# KiCad board sun3_60_layout2_routing2.kicad_pcb (continued)
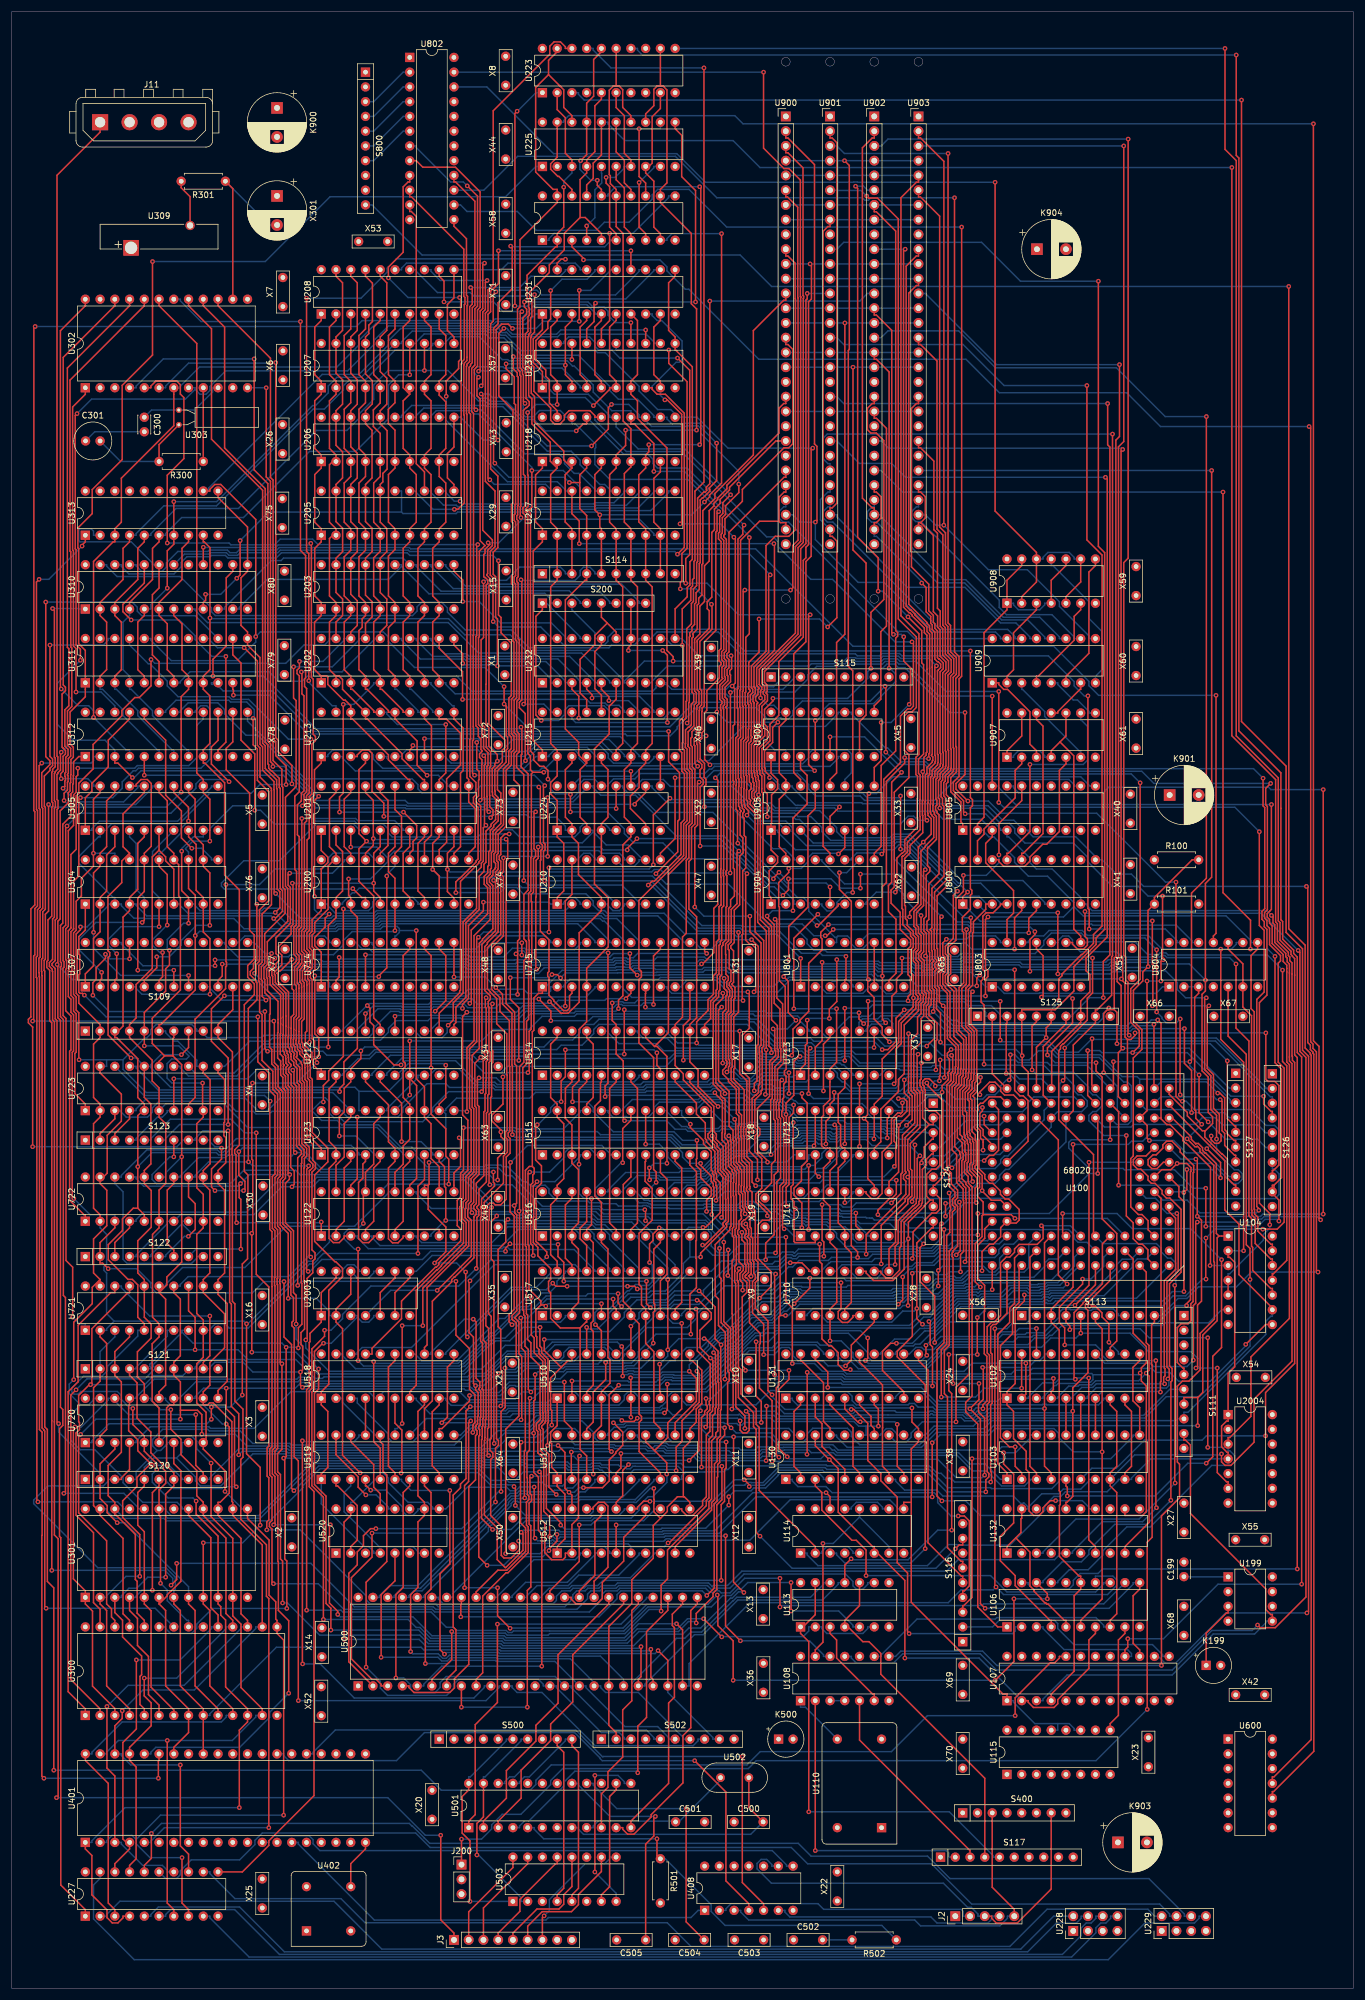
[diagram p0: board, top side]
## Routing (per net, layer and track width the routed paths; a pad name or vN(x,y) marks a point on that pad's centre or on a via; arc(x,y) is an arc through that point) (continued)
  Bottom w0.25: v1(177.4,131.31) 182.39,131.31 U100.33 ; v1(126.2,87.58) 124.5,87.58 120.79,83.87 v1(109.95,83.87) ; v1(62.37,190.29) 48.36,190.29 v1(48.36,190.3) ; v1(82.86,79.01) 86.04,79.01 88.01,80.98 99.71,80.98 100.17,81.43 104.62,81.43 105.55,82.37 105.55,82.56 U512.15 ; U722.14 29.07,139.7 29.07,139.91 32.21,143.05 36.84,143.05 37.25,143.46 38.73,143.46 38.84,143.35 48.3,143.35 v1(48.86,143.91) 49.9,143.91 53.24,140.57 v1(83,140.57) ; v1(167.82,85.49) 161.06,85.49 157.65,88.9 140.03,88.9 139.71,89.22 132.23,89.22 129.63,86.62 127.29,86.62 v1(127.07,86.39)
/Ethernet/A22: length 427.4
  Top w0.25: v1(119.62,101.56) 119.62,100.49 119.84,100.27 119.84,99.8 119.39,99.35 119.39,98.83 118.84,98.28 v1(118.84,89.75) ; v1(66.04,182.13) U200.6 66.04,191.14 64.91,192.27 64.91,195.46 66.04,196.59 U201.6 ; v1(122.35,89.91) 122.35,84.12 121.48,83.25 121.48,68.69 120.83,68.04 120.83,67.45 117.93,64.55 v1(117.93,62.92) ; v1(39.43,138.57) 39.2,138.34 39.2,136.15 39.49,135.86 v1(39.49,127.3) ; v1(158.01,114.83) 158.23,114.61 158.23,110.85 158.64,110.45 v1(158.64,103.71) ; v1(55,61.69) 55,65.45 54.16,66.28 54.16,84.76 52.17,86.75 52.17,102.49 52.88,103.2 v1(52.88,106.65) ; v1(45.33,177.34) 45.07,177.07 45.07,176.04 44.38,175.35 44.38,174.22 44.52,174.08 44.52,172.82 46.34,171 46.34,167.04 46.34,167.04 46.34,166.06 46.34,166.06 46.34,164.41 46.28,164.35 46.28,160.87 46.76,160.38 46.76,159.9 46.79,159.86 46.79,159.14 46.93,159 46.93,158.9 46.81,158.77 46.81,157.42 47.18,157.05 47.18,155.24 47.28,155.14 47.28,155.14 47.63,154.79 47.63,140.35 47.85,140.12 ; v1(49.01,114.39) 49.01,119.35 48.55,119.8 48.55,130.43 47.17,131.81 47.17,138.63 47.85,139.31 47.85,140.12 ; U512.16 104.14,83.69 105.27,84.81 105.27,89.19 v1(106.27,90.19) ; 47.85,140.12 v1(47.91,140.12)
  Bottom w0.25: v1(52.88,106.65) 50.22,109.31 50.22,110.56 49.01,111.78 v1(49.01,114.39) ; v1(158.64,103.71) 158.36,103.99 143.1,103.99 142.88,104.21 123.21,104.21 120.56,101.56 v1(119.62,101.56) ; v1(106.27,90.19) 106.46,90.39 115.33,90.39 115.97,89.75 v1(118.84,89.75) 122.2,89.75 v1(122.35,89.91) ; v1(45.33,177.34) 45.62,177.63 47.7,177.63 48.05,177.98 55.45,177.98 57.15,179.69 57.15,180.44 58.67,181.96 65.87,181.96 v1(66.04,182.13) ; v1(39.49,127.3) 31.78,127.3 S122.8 ; v1(55,61.69) 70.14,61.69 72.02,59.82 84.47,59.82 84.82,59.46 106.08,59.46 108.06,61.44 114.87,61.44 116.6,63.17 117.68,63.17 v1(117.93,62.92) ; v1(158.01,114.83) 158.25,114.83 162.6,119.19 164.77,119.19 164.98,119.4 165.75,119.4 165.81,119.45 166.07,119.45 166.39,119.13 166.56,119.13 167.01,119.58 170.37,119.58 171.82,121.03 175.13,121.03 175.45,120.71 176.93,120.71 177.06,120.85 178.25,120.85 178.48,121.07 180.58,121.07 183.96,124.46 U100.7 ; U722.17 21.45,139.7 21.45,139.42 22.74,138.12 38.98,138.12 v1(39.43,138.57) 40.98,140.12 v1(47.91,140.12)
/Ethernet/A23: length 405.2
  Top w0.25: v1(183.18,117.63) 186.71,121.15 U100.6 ; v1(92.3,93.47) 92.32,93.5 92.32,97.3 92.44,97.42 92.44,99.46 92.39,99.51 92.39,108.36 91.3,109.45 91.3,110.29 91,110.59 91,113.78 v1(91.03,113.82) ; v1(49.99,201.43) 49.99,189.62 49.95,189.59 49.95,182.75 49.5,182.3 49.5,178.41 49.98,177.93 49.98,176.58 49.85,176.45 49.85,176.4 49.75,176.29 49.75,176.23 49.5,175.98 49.5,175.88 49.2,175.57 49.2,173.1 49.5,172.79 49.5,172.2 49.5,172.2 49.5,167.31 49.05,166.86 49.05,164.94 49.05,164.94 49.05,163.29 48.99,163.23 48.99,162.6 49.25,162.34 49.25,161.73 49.63,161.35 49.63,160.86 50.38,160.11 50.38,159.35 50.52,159.21 50.52,158.54 50.53,158.52 50.53,156.5 50.89,156.14 50.89,146.59 v1(51.17,146.32) 51.17,146.04 51.89,145.33 51.89,142.56 52.34,142.11 52.34,141.14 51.73,140.53 51.73,127.17 52.27,126.64 52.27,125.62 51.88,125.24 51.88,123.22 50.91,122.25 50.91,111.89 v1(50.67,111.65) ; v1(129.14,97.44) 129.14,101.07 128.25,101.96 v1(128.25,111.34) ; U201.7 68.58,196.59 67.45,195.46 67.45,188.95 68.58,187.83 U200.7 ; v1(98.5,86.21) 101.78,86.21 102.95,87.39 102.95,91.01 104.06,92.12 104.06,92.31 105.27,93.51 105.27,95.79 v1(103.67,97.38) ; v1(94.13,93.47) 95.32,92.29 95.32,86.12 v1(96.02,85.42) 96.52,84.92 U512.19 ; v1(157.51,110.72) 157.51,109.15 v1(157.65,109.01)
  Bottom w0.25: v1(157.51,110.72) 161.53,114.75 170.17,114.75 172.43,117 179.43,117 180.05,117.63 v1(183.18,117.63) ; v1(91.03,113.82) 88.13,113.82 85.8,111.49 83.37,111.49 82.92,111.04 82.62,111.04 78.34,106.76 78.33,106.76 77.82,106.25 54.68,106.25 50.68,110.26 50.68,111.65 v1(50.67,111.65) ; v1(129.14,97.44) 126.25,97.44 125.8,96.99 125.19,96.99 124.92,97.26 122.82,97.26 122.66,97.43 105.77,97.43 105.41,97.07 103.98,97.07 v1(103.67,97.38) ; U201.7 67.45,199.4 67.45,199.59 65.98,201.06 59.63,201.06 59.26,201.43 v1(49.99,201.43) ; v1(51.17,146.32) 38.72,146.32 36.89,144.49 36.89,144.38 36.46,143.95 35.86,143.95 35.44,144.38 23.3,144.38 18.91,139.98 18.91,139.7 U722.18 17.78,138.57 19.19,137.16 19.19,125.53 19.89,124.83 31,124.83 31.89,125.72 31.89,126.01 S122.9 ; v1(157.65,109.01) 156.69,108.05 148.18,108.05 147.46,108.77 147.46,109.49 144.15,112.8 131.85,112.8 130.39,111.34 v1(128.25,111.34) ; v1(98.5,86.21) 97.75,86.21 96.96,85.42 v1(96.02,85.42) ; v1(94.13,93.47) v1(92.3,93.47)
/Ethernet/A24: length 323.3
  Top w0.25: S123.2 15.24,147.19 17.78,149.73 U723.3 ; v1(160.62,130.66) 160.62,111.18 159.42,109.98 159.42,84.77 v1(160.25,83.94) ; v1(57.15,185.86) 57.15,160.47 54.62,157.93 54.62,156.37 53.7,155.45 v1(53.7,152.62) ; U201.8 71.12,198.27 69.99,197.15 69.99,188.95 71.12,187.83 U200.8
  Bottom w0.25: v1(57.15,185.86) 57.44,185.57 61.49,185.57 62.23,186.32 62.23,187.06 63.03,187.86 69.12,187.86 69.99,186.98 69.99,186.7 U200.8 ; v1(160.25,83.94) 164.36,83.94 166.87,81.43 175.41,81.43 U132.18 ; U100.19 185.25,128.45 183.71,128.45 183.08,129.09 183.08,129.65 182.06,130.66 177.78,130.66 177.7,130.58 177.1,130.58 177.02,130.66 v1(160.62,130.66) 160.39,130.9 160.18,130.9 160.15,130.92 160.05,130.92 160.05,130.92 154.71,130.92 154,131.63 154,131.63 153.33,132.3 148.61,132.3 148.29,132.62 148.18,132.62 148.18,132.62 147.83,132.62 147.81,132.65 147.26,132.65 147.14,132.77 143.2,132.77 143.03,132.93 142.58,132.93 142.44,133.07 134.37,133.07 133.76,133.68 133.56,133.68 133.33,133.91 132.61,133.91 132.38,134.14 132.29,134.14 132.23,134.2 128.45,134.2 127.87,134.78 127.67,134.78 127.41,135.04 126.31,135.04 125.99,134.72 125.57,134.72 125.28,134.43 121,134.43 120.93,134.49 120.85,134.49 120.78,134.57 119.84,134.57 119.78,134.51 119.42,134.51 119.17,134.27 113.31,134.27 113.17,134.4 110.05,134.4 109.79,134.66 109.53,134.66 109.38,134.8 108.78,134.8 108.66,134.69 108.01,134.69 108,134.7 104.53,134.7 104.12,135.11 101.88,135.11 101.79,135.2 101.42,135.2 101.35,135.27 99.56,135.27 99.27,135.56 93.95,135.56 92.57,136.94 92.57,137.63 91.91,138.29 90.97,138.29 90.83,138.14 89.46,138.14 88.69,138.92 88.05,138.92 86.94,140.02 86.93,140.02 85.49,141.47 84.55,141.47 84.26,141.75 81.69,141.75 81.41,141.47 71.55,141.47 69.71,143.31 69.71,144.08 68.94,144.84 67.05,144.84 63.22,148.68 56.86,148.68 56.1,149.44 54.57,149.44 54.57,149.44 53.39,149.44 51.7,151.13 ; 51.7,151.13 51.58,151.01 44.86,151.01 44.64,150.78 44.5,150.78 44.27,150.56 42.09,150.56 41.64,151.01 39.39,151.01 39.38,151.01 38.68,151.01 36.93,152.76 25.4,152.76 24.23,151.58 24.23,150.83 23.41,150.01 19.75,150.01 18.91,150.86 18.91,151.14 U723.3 ; 51.7,151.13 53.19,152.62 v1(53.7,152.62)
/Ethernet/A25: length 384.4
  Top w0.25: U201.9 73.66,198.27 72.53,197.15 v1(72.53,192.66) 73.66,191.53 U200.9 ; v1(186.21,177.41) 186.21,171.41 185.3,170.5 185.3,166.73 181.22,162.65 181.11,162.65 180.68,162.22 180.68,161.77 180.38,161.46 180.38,149.56 186.37,143.57 186.37,129.87 U100.32 ; v1(80.97,154.4) 81.24,154.67 81.24,159.7 81.54,160 81.54,160.82 81.01,161.35 81.01,179.76 81.57,180.31 81.57,180.31 83.35,182.1 83.35,190.46 v1(83.04,190.78) ; v1(200.43,87.01) 200.36,87.08 v1(200.36,121.05) ; U723.4 20.32,149.73 17.78,147.19 S123.3
  Bottom w0.25: v1(186.21,177.41) 186.03,177.59 163.8,177.59 163.4,177.2 158.51,177.2 158.35,177.03 157.07,177.03 155.69,178.42 140.49,178.42 140.18,178.72 138.19,178.72 137.03,179.88 137.03,180.6 134.82,182.82 125.88,182.82 125.7,183 118.9,183 110.36,191.54 83.31,191.54 83.04,191.26 ; v1(200.43,87.01) 194.22,80.81 183.33,80.81 177.67,75.14 177.67,74.94 U132.3 ; v1(72.53,192.66) 73.93,191.26 83.04,191.26 ; v1(200.36,121.05) 200.54,121.23 200.54,124.91 199.73,125.73 199.13,125.73 197.99,126.87 197.99,127.46 197.21,128.24 188.01,128.24 U100.32 ; U723.4 21.45,151.14 21.45,151.42 23.26,153.24 40.27,153.24 42.5,151.01 43.97,151.01 46.32,153.36 54.03,153.36 54.75,152.64 54.75,150.67 55.53,149.89 56.61,149.89 57.27,149.23 70.82,149.23 72.53,150.94 72.53,151.66 75.27,154.4 v1(80.97,154.4) ; 83.04,191.26 v1(83.04,190.78)
/Ethernet/A26: length 353.7
  Top w0.25: U132.16 181.62,83.69 181.79,83.69 182.8,84.7 v1(182.8,99.39) 182.8,103.4 185.41,106.01 185.41,116.73 184.98,117.17 184.98,117.77 185.4,118.2 185.53,118.2 189.25,121.91 U100.5 ; U200.17 66.04,195.45 67.17,196.57 67.17,201.84 66.04,202.96 U201.17 ; v1(64.63,191.52) 64.63,175.71 63.26,174.34 v1(63.26,174.19) ; v1(107.78,98.18) 107.22,97.61 105.3,97.61 v1(105.11,97.8) ; v1(48.44,158.1) 48.64,157.9 48.64,155.77 49.09,155.32 49.09,145 49.93,144.16 49.93,143.66 49.28,143.02 v1(49.28,121.04) ; v1(52.21,174.35) 52.21,164.37 52.91,163.67 v1(52.91,160.4) ; v1(79.45,95.72) 79.45,96.84 79.54,96.93 79.54,97.13 79.81,97.4 79.81,102.21 78.88,103.15 78.88,110.14 76.54,112.48 v1(76.54,121.74) ; U723.7 v1(27.94,156.62) ; v1(126.52,99.38) 127.05,98.85 127.05,96.07 126.63,95.65 125.98,95.65 125.5,96.13 v1(125.5,97.71)
  Bottom w0.25: v1(125.5,97.71) 125.03,98.18 v1(107.78,98.18) ; v1(27.94,156.62) 40.67,156.62 42.32,158.27 48.26,158.27 v1(48.44,158.1) 50.74,160.4 v1(52.91,160.4) ; U200.17 66.04,193.19 64.63,191.78 v1(64.63,191.52) ; v1(126.52,99.38) 131.51,99.38 132.38,98.52 145.12,98.52 145.35,98.74 150.97,98.74 150.98,98.73 158.17,98.73 158.4,98.95 158.55,98.95 158.78,98.72 163.85,98.72 164.4,98.17 165.75,98.17 166.47,98.89 166.57,98.89 166.84,98.63 167.82,98.63 168.3,99.11 182.52,99.11 v1(182.8,99.39) ; v1(105.11,97.8) 104.74,98.18 90.84,98.18 89.38,96.72 80.45,96.72 v1(79.45,95.72) ; v1(76.54,121.74) 49.98,121.74 v1(49.28,121.04) ; S123.4 21.45,146.06 21.45,146.34 25.12,150.01 25.97,150.01 26.81,150.86 26.81,151.14 U723.7 ; v1(52.21,174.35) 52.37,174.19 v1(63.26,174.19)
/Ethernet/A27: length 410.7
  Top w0.25: v1(43.96,78.95) 43.96,80.31 44.31,80.67 44.31,87.91 44.01,88.21 44.01,93.06 44.31,93.36 44.31,120.78 42.15,122.94 v1(42.15,147.31) ; U201.18 63.5,205.89 64.84,204.56 64.84,196.78 63.5,195.45 U200.18 ; v1(181.41,110.79) 181.41,113.72 180.49,114.63 180.49,117.29 184.49,121.28 v1(184.49,122.13) ; v1(197.22,82.75) 197.11,82.87 v1(197.11,108.09) ; U723.8 30.48,152.27 31.61,153.39 31.61,166.88 36.87,172.14 36.87,175.88 37.02,176.04 37.02,176.7 36.92,176.8 v1(36.92,190.05)
  Bottom w0.25: S123.5 23.99,146.06 23.99,146.3 27.34,149.66 29.35,149.66 ; v1(42.15,147.31) 40.14,147.31 37.79,149.66 29.35,149.66 ; U100.18 188.12,125.88 188.12,124.34 185.92,122.13 v1(184.49,122.13) ; v1(36.92,190.05) 42.69,190.05 45.38,192.74 53.45,192.74 54.61,193.9 54.61,194.7 55.38,195.47 61.5,195.47 62.37,194.6 62.37,194.32 U200.18 ; U723.8 29.35,151.14 29.35,149.66 ; v1(197.11,108.09) 188.77,108.09 187.83,109.03 187.83,109.69 186.73,110.79 v1(181.41,110.79) ; v1(43.96,78.95) 49.7,78.95 61.11,67.54 61.11,66.85 61.8,66.16 73.04,66.16 73.49,65.71 95.29,65.71 96.67,67.09 96.67,67.79 97.33,68.45 98.8,68.45 99.25,68.9 101.15,68.9 101.61,69.35 103.94,69.35 104.39,69.8 120.06,69.8 120.69,69.17 120.88,69.37 123.33,69.37 125.8,71.85 161.09,71.85 163.06,73.81 179.65,73.81 180.5,74.66 180.5,74.94 U132.5 182.75,74.94 182.75,75.22 187.88,80.35 194.82,80.35 v1(197.22,82.75)
/Ethernet/A28: length 461.6
  Top w0.25: v1(36.65,170.9) 34.42,168.67 34.42,163.08 37.31,160.19 v1(37.31,148.75) ; 87.16,178.12 v1(86.88,178.12) ; 87.16,178.12 v1(87.16,171.14) ; 87.16,178.12 87.16,180.34 87.5,180.68 87.5,189.55 87.42,189.63 87.42,191.14 87.51,191.23 87.51,207.11 86.54,208.07 86.54,212.64 86.99,213.09 86.99,215.8 86.57,216.22 86.57,221.8 86.99,222.23 86.99,232 86.81,232.18 86.81,241.8 86.57,242.04 86.57,243.02 86.81,243.26 86.81,252.51 86.57,252.76 86.57,253.73 86.72,253.89 86.72,255.46 86.81,255.55 86.81,272.67 86.59,272.9 86.59,277.46 85.18,278.87 v1(85.18,279.71) ; U231.3 96.52,287.17 95.39,286.05 v1(95.39,279.48) 95.39,277.85 96.52,276.73 U230.3 ; v1(179.85,83.98) 178.91,83.98 177.67,82.75 177.67,82.09 177.01,81.43 176.04,81.43 175.28,82.19 175.28,88.84 174.77,89.35 174.77,92.48 172.59,94.66 172.59,99.35 171.47,100.47 U102.1 171.47,102.73 172.88,104.14 172.88,116.78 174.46,118.36 v1(174.46,119.4) ; v1(102.76,178.31) 102.73,178.28 102.73,155.86 102.24,155.37 v1(102.24,153.54) ; v1(121.15,154.22) 121.15,154.11 122.44,152.81 122.44,147.36 122.38,147.29 122.38,146.05 123.02,145.41 123.02,141.2 123.65,140.57 123.65,140.47 123.92,140.2 123.92,138.95 123.87,138.9 123.87,136.28 123.92,136.24 123.92,131.25 123.72,131.05 123.72,130.58 121.2,128.06 121.2,119.26 121.77,118.69 121.77,114.13 122.94,112.96 122.94,104.97 v1(122.88,104.9)
  Bottom w0.25: U132.14 185.58,82.56 185.58,82.84 184.44,83.98 v1(179.85,83.98) ; v1(36.65,170.9) 36.67,170.92 44.26,170.92 44.31,170.86 78.45,170.86 78.89,171.3 82.76,171.3 82.92,171.14 v1(87.16,171.14) ; v1(86.88,178.12) 87.41,178.64 88.19,178.64 88.52,178.31 v1(102.76,178.31) ; v1(95.39,279.48) 95.16,279.71 v1(85.18,279.71) ; v1(122.88,104.9) 122.89,104.89 142.84,104.89 143.29,104.44 158.95,104.44 159.36,104.02 159.36,101.53 159.81,101.08 169.82,101.08 170.34,101.6 U102.1 ; v1(121.15,154.22) 120.87,153.95 118.57,153.95 118.39,153.77 102.46,153.77 v1(102.24,153.54) ; S123.6 26.53,146.06 26.53,146.34 28.93,148.75 v1(37.31,148.75) ; v1(174.46,119.4) 174.6,119.27 177.4,119.27 177.62,119.49 178.75,119.49 178.78,119.46 179.04,119.72 187.04,119.72 U100.4
/Ethernet/A29: length 476.8
  Top w0.25: v1(174.71,107.65) 174.71,102.31 U102.2 ; v1(139.18,128.16) 139.18,125.15 139.59,124.74 139.59,111.83 140.81,110.62 141.23,110.62 142.39,109.47 142.39,107.42 143.36,106.44 144.39,106.44 v1(144.48,106.53) ; v1(120.68,146.79) 120.9,146.56 120.9,146.02 121.54,145.38 121.54,144.99 122.11,144.41 122.11,140.82 122.74,140.19 122.74,140.1 123.02,139.82 123.02,139.32 122.97,139.28 122.97,135.91 123.02,135.86 123.02,132.24 122.54,131.76 122.54,131.46 122.67,131.33 122.67,131.23 119.43,127.99 v1(119.03,127.99) ; v1(185.55,105.1) 185.55,77.22 186.71,76.07 U132.7 ; S123.7 v1(27.94,143.17) ; v1(183.25,104.88) 183.03,105.1 183.03,116.36 184.52,117.86 184.52,117.96 187.91,121.34 187.91,128.2 U100.31 ; v1(80.43,277.41) 80.16,277.14 80.16,274.22 80.71,273.67 80.71,249.26 81.55,248.42 80.57,247.45 80.57,232.73 80.42,232.58 80.42,217.59 81.02,216.99 81.02,215.59 81.3,215.31 81.3,213.5 82.06,212.74 82.06,210.57 81.88,210.4 81.88,205.23 81.91,205.21 81.91,202.87 v1(82.2,202.59) ; v1(88.95,157.68) 89.15,157.89 89.15,164.79 89.52,165.16 89.52,176.97 89.6,177.06 89.6,187.09 89.51,187.19 89.51,188.35 89.9,188.75 89.9,194.53 90.26,194.89 90.26,195.95 89.99,196.22 89.99,202.31 v1(90.27,202.59) ; v1(83.72,139.19) 83.72,142.97 84.95,144.2 84.95,145.99 84.29,146.66 v1(84.29,147.46) 84.29,147.8 84.29,147.8 82.69,149.39 82.69,150.33 84.63,152.27 v1(84.63,156.94) ; U230.4 99.06,276.73 97.93,277.85 97.93,286.05 99.06,287.17 U231.4
  Bottom w0.25: v1(83.72,139.19) 83.2,139.19 82.27,140.11 49.67,140.11 48.92,140.86 39.99,140.86 37.7,138.57 24.93,138.57 24.2,139.3 24.2,140.12 27.25,143.17 v1(27.94,143.17) ; v1(144.48,106.53) 144.77,106.24 164.07,106.24 165.47,107.65 v1(174.71,107.65) ; v1(88.95,157.68) 85.38,157.68 v1(84.63,156.94) ; v1(119.03,127.99) 120.78,126.24 123.58,126.24 125.5,128.16 v1(139.18,128.16) ; v1(185.55,105.1) 183.47,105.1 v1(183.25,104.88) 180.38,104.88 179.77,104.26 177.61,104.26 175.13,101.78 175.13,101.6 U102.2 ; v1(80.43,277.41) 79.71,278.14 79.71,278.75 80.16,279.2 84.66,279.2 84.88,278.99 94.82,278.99 97.93,275.87 97.93,275.6 U230.4 ; v1(82.2,202.59) v1(90.27,202.59) ; v1(84.29,147.46) 84.54,147.71 86.57,147.71 86.75,147.53 100.9,147.53 101.44,146.99 113.77,146.99 115.51,145.25 119.13,145.25 v1(120.68,146.79)
/Ethernet/A30: length 584.3
  Top w0.25: v1(39.12,91.87) 39.12,98.95 37.86,100.21 37.86,117.83 37.56,118.13 37.56,143.35 37.51,143.4 37.51,147.45 v1(37.3,147.67) ; 194.61,105.96 194.61,104.58 195.47,103.72 195.47,82.1 194.8,81.43 191.78,81.43 U132.12 ; 194.61,105.96 v1(194.41,105.96) ; 194.61,105.96 194.61,106.84 195.48,107.71 195.48,110.51 193.2,112.79 193.2,125.59 U100.17 ; v1(137.02,91.96) 137.05,91.99 v1(137.05,106.07) ; v1(3.62,144.92) 3.62,165.52 2.89,166.25 2.89,166.85 3.32,167.28 3.32,185.86 4,186.55 4,202.62 3.83,202.79 3.83,285.92 v1(4.05,286.14) ; U231.5 101.6,287.17 100.47,286.05 100.47,277.85 101.6,276.73 U230.5
  Bottom w0.25: 186.28,105.65 186.06,105.87 175.61,105.87 175.09,105.34 143.67,105.34 143.21,105.79 137.32,105.79 v1(137.05,106.07) ; 186.28,105.65 186.28,104.8 185.85,104.37 183.77,104.37 183.55,104.15 180.29,104.15 179.95,103.81 179.68,103.81 177.67,101.8 177.67,101.6 U102.3 ; 186.28,105.65 194.11,105.65 v1(194.41,105.96) ; v1(3.62,144.92) 28.48,144.92 29.35,145.8 29.35,146.06 S123.8 31.61,146.06 31.61,146.31 32.96,147.67 v1(37.3,147.67) ; U231.5 100.47,288.3 100.47,288.52 99.08,289.91 90.18,289.91 87.73,287.45 83.31,287.45 82.83,286.98 82.73,286.98 82.54,287.16 60.39,287.16 59.37,286.14 v1(4.05,286.14) ; v1(39.12,91.87) 39.73,92.48 47.34,92.48 47.62,92.2 81.22,92.2 81.49,92.48 94.2,92.48 94.8,93.07 96.72,93.07 96.85,92.95 102.83,92.95 103.04,93.15 103.64,93.15 103.85,92.95 109.16,92.95 109.55,92.55 110.57,92.55 111.02,93 112.41,93 112.82,92.59 117.87,92.59 118.09,92.36 118.16,92.36 118.75,91.77 128.85,91.77 129.4,92.32 130.38,92.32 130.51,92.2 133.26,92.2 133.31,92.25 136.72,92.25 v1(137.02,91.96)
/Ethernet/A31: length 273.2
  Top w0.25: v1(123.38,122.74) 123.44,122.8 v1(123.44,127.15) ; v1(109.2,132.17) 109.2,133.95 v1(109.08,134.08) ; v1(35.03,137.36) 34.43,137.96 34.43,141.07 36.16,142.8 v1(36.16,144.68) ; v1(39.14,144.07) 39.14,140.02 40.19,138.97 40.19,137.59 v1(39.96,137.36) ; v1(131.43,105.66) 131.43,122.82 v1(131.61,123) ; v1(179.46,105.02) 179.46,103.1 179.09,102.73 U102.4 ; U100.3 195.45,123.33 195.45,111.17 195.93,110.7 195.93,106.41 v1(195.45,105.93) 195.95,105.44 195.95,80.23 191.78,76.07 U132.9
  Bottom w0.25: v1(195.45,105.93) 194.14,104.62 186.74,104.62 186.04,103.92 183.96,103.92 183.74,103.7 182.11,103.7 180.21,101.8 180.21,101.6 U102.4 ; v1(109.2,132.17) 109.58,131.8 119.39,131.8 120.05,131.14 120.05,130.47 120.51,130.01 120.51,127.83 121.65,126.69 122.98,126.69 v1(123.44,127.15) ; v1(35.03,137.36) v1(39.96,137.36) ; v1(36.16,144.68) 35.91,144.93 34.99,144.93 34.15,145.78 34.15,146.06 S123.9 ; v1(109.08,134.08) 101.9,134.08 101.32,134.66 91.43,134.66 86.15,139.94 85.2,139.94 83.84,141.3 82.1,141.3 81.82,141.02 53.51,141.02 49.85,144.69 39.76,144.69 v1(39.14,144.07) ; v1(179.46,105.02) 179.33,104.89 143.48,104.89 143.03,105.34 131.75,105.34 v1(131.43,105.66) ; v1(123.38,122.74) 124.27,121.85 127.8,121.85 129.17,123.22 131.39,123.22 v1(131.61,123)
/Ethernet/E.A16: length 19.9
  Bottom w0.25: U512.3 97.93,74.94 97.93,74.66 97.09,73.81 89.97,73.81 83.69,67.53 83.69,67.32 U500.39
/Ethernet/E.A17: length 20
  Bottom w0.25: U512.4 100.47,74.94 100.47,74.66 95.73,69.91 88.54,69.91 86.23,67.6 86.23,67.32 U500.38
/Ethernet/E.A18: length 25.1
  Bottom w0.25: U500.37 88.77,67.32 88.77,67.6 90.52,69.35 95.89,69.35 97.69,71.16 104.59,71.16 108.09,74.66 108.09,74.94 U512.7
/Ethernet/E.A19: length 25
  Bottom w0.25: U512.8 110.63,74.94 110.63,74.74 106.6,70.71 99.78,70.71 98.43,69.35 96.53,69.35 96.07,68.9 92.6,68.9 91.31,67.6 91.31,67.32 U500.36
/Ethernet/E.A20: length 29.9
  Top w0.25: U500.35 92.72,68.45 97.78,73.51 v1(97.78,79.8)
  Bottom w0.25: U512.13 110.63,82.56 110.63,82.28 108.88,80.53 100.54,80.53 99.81,79.8 v1(97.78,79.8)
/Ethernet/E.A21: length 26
  Top w0.25: U512.14 109.22,81.43 105.44,77.65 105.44,73.57 101.75,69.88 101.75,67.13 100.81,66.19 97.23,66.19 96.39,67.04 96.39,67.32 U500.34
/Ethernet/E.A22: length 16.8
  Top w0.25: U512.17 101.6,81.43 100.47,80.31 100.47,71.12 97.8,68.45 U500.33
/Ethernet/E.A23: length 21.3
  Top w0.25: U512.18 100.19,82.56 100.19,82.84 101.03,83.69 102.08,83.69 102.73,83.04 102.73,72.5 100.34,70.12 U500.32
/Ethernet/E.ALE: length 147.7
  Top w0.25: v1(67.1,88.73) 67.23,88.86 67.23,96.12 66.04,97.31 U518.6 ; 115.71,84.66 115.87,84.66 116.84,83.69 U512.11 ; 115.71,84.66 114.7,84.66 112.96,82.91 112.96,82.11 111.78,80.93 ; 115.71,84.66 115.71,93.01 116.84,94.13 U511.11 116.84,96.39 117.93,97.48 117.93,99.76 118.81,100.64 118.87,100.64 118.89,100.67 118.89,106.45 117.25,108.09 116.84,108.09 U510.11 ; S502.2 104.14,44.04 102.88,45.3 U500.18 102.88,62.33 106.83,66.28 106.83,70.35 110.54,74.06 110.54,79.69 111.78,80.93 ; 111.78,80.93 110.63,82.08 110.63,83.53 110.68,83.57 110.68,84.18 110.63,84.22 v1(110.63,86.09) ; v1(86.55,86.41) 86.78,86.17 v1(86.78,83.15)
  Bottom w0.25: v1(86.78,83.15) 88.5,81.43 99.53,81.43 100.19,82.09 100.19,82.79 101.12,83.72 107.19,83.72 107.24,83.67 107.58,83.67 110,86.09 v1(110.63,86.09) ; v1(86.55,86.41) 86.27,86.68 85.52,86.68 85.47,86.74 82.43,86.74 80.35,88.81 67.19,88.81 v1(67.1,88.73)
/Ethernet/E.BM0-: length 88.6
  Top w0.25: U519.7 68.58,86.51 67.45,85.39 67.45,69.05 66.19,67.79 v1(66.19,53.45)
  Bottom w0.25: v1(66.19,53.45) 67.55,53.45 68.73,52.27 68.73,51.57 69.37,50.93 72.94,50.93 73.81,51.8 73.81,52.65 74.86,53.7 93.64,53.7 U500.15 96.39,52.08 96.39,51.8 103.69,44.49 109.33,44.49 110.63,43.19 110.63,42.92 S502.5
/Ethernet/E.BM1-: length 81.8
  Top w0.25: v1(71.27,55.93) 71.27,67.79 72.25,68.76 72.25,85.39 71.12,86.51 U519.8
  Bottom w0.25: S502.6 113.17,42.92 113.17,43.2 111.29,45.08 105.65,45.08 98.93,51.8 98.93,52.08 U500.16 93.58,56.3 83.51,56.3 83.34,56.48 75.79,56.48 75.24,55.93 v1(71.27,55.93)
/Ethernet/E.CBA: length 70.7
  Top w0.25: U514.23 93.98,163.71 92.85,162.58 92.85,153.39 93.98,152.27 U515.23 93.98,150.01 95.11,148.89 95.11,139.41 93.98,138.29 U516.23 93.98,136.03 92.85,134.91 92.85,126.33 93.98,125.2 U517.23
  Bottom w0.25: U518.12 74.79,109.22 74.79,109.46 86.07,120.73 90.4,120.73 92.85,123.18 92.85,123.47 U517.23
/Ethernet/E.CLSW: length 65.9
  Top w0.25: v1(83.69,62.72) 83.69,49.23 79.87,45.41 79.87,29.93 78.74,28.8 U501.1
  Bottom w0.25: U500.28 109.37,67.32 109.37,67.12 104.98,62.72 v1(83.69,62.72)
/Ethernet/E.CO+: length 40.3
  Top w0.25: v1(78.96,14.98) 78.96,25.39 77.61,26.74 77.61,33.04 78.74,34.17 U501.24
  Bottom w0.25: U503.1 v1(78.96,14.98) ; U501.24 78.74,36.42 79.02,36.42 85.23,42.63 85.23,42.92 S500.6
/Ethernet/E.CO+<>: length 17.4
  Top w0.25: J3.2 78.74,13.19 86.36,20.81 U503.16
/Ethernet/E.CO-: length 36.8
  Top w0.25: U501.23 81.28,29.53 80.15,28.41 v1(80.15,22.97)
  Bottom w0.25: S500.7 87.77,42.92 87.77,42.63 81.56,36.42 81.28,36.42 U501.23 ; v1(80.15,22.97) 80.43,22.97 87.77,15.63 87.77,14.98 U503.2
/Ethernet/E.CO-<>: length 17.4
  Top w0.25: U503.15 88.9,21.47 81.28,13.85 J3.3
/Ethernet/E.CREQ-: length 14.9
  Top w0.25: U519.2 55.88,86.51 56.16,86.51 59.55,83.13 59.55,77.19 58.42,76.07 U520.2
/Ethernet/E.CSX-: length 14.8
  Top w0.25: U519.18 58.42,94.13 62.37,90.18 62.37,86.3 63.5,85.17 U520.13
/Ethernet/E.D0: length 124.3
  Top w0.25: v1(97.74,141.9) 97.74,154.77 99.06,156.09 U514.4 ; U510.3 99.06,102.73 100.2,103.86 100.2,113.12 99.82,113.5 99.82,114.56 100.2,114.94 100.2,128.4 U516.4 99.06,130.67 99.89,131.5 v1(99.89,135.99) ; v1(89.3,101.61) 89.2,101.52 89.2,92.63 88.78,92.21 88.78,87.94 88.84,87.88 88.84,85.03 89.12,84.75 89.12,84.15 88.69,83.72 88.69,79.76 88.99,79.46 88.99,78.69 88.99,78.69 88.99,75.05 85.5,71.55 85.15,71.55 81.15,67.55 81.15,54.33 80.02,53.21 U500.9
  Bottom w0.25: v1(97.74,141.9) 97.74,136.88 98.59,136.03 99.85,136.03 v1(99.89,135.99) ; v1(89.3,101.61) 89.86,101.61 91,102.75 96.99,102.75 97.93,101.81 97.93,101.6 U510.3
